# KiCad board kikit_panel.kicad_pcb (continued)
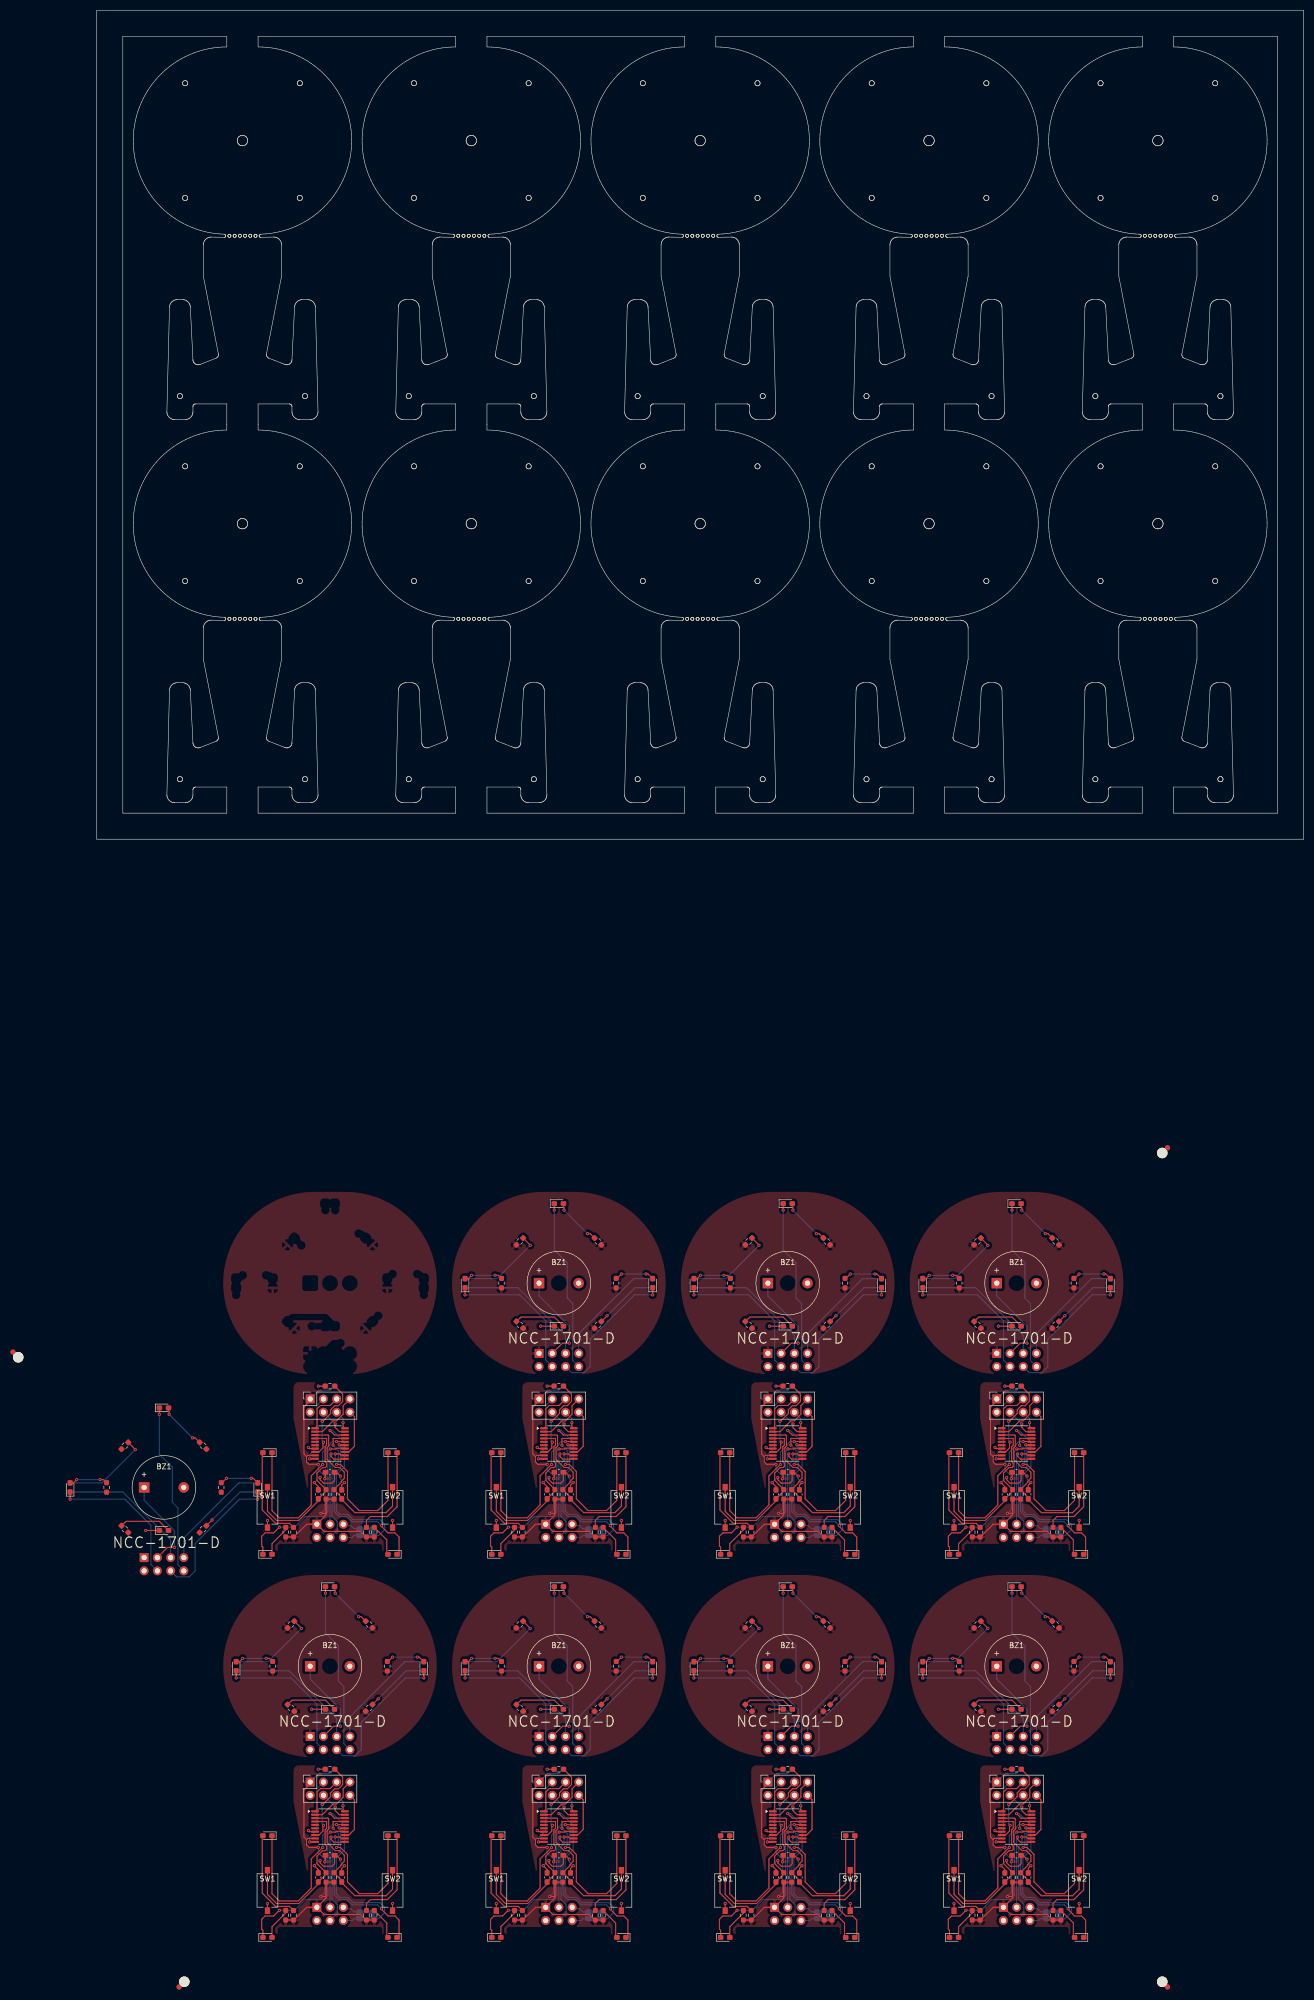
[diagram p0: board, top side]
## Copper pours and planes (outline as drawn; the poured copper is in the pictures) (continued)
Board_5-GND on Bottom: 63.42,-139.09 119.67,-140.09 109.92,-216.34 67.67,-214.09
Board_5-VCC on Top: 66.42,-140.09 110.17,-140.34 109.17,-213.09 66.67,-213.09
Board_6-GND on Bottom: 107.33,-139.09 163.58,-140.09 153.83,-216.34 111.58,-214.09
Board_6-VCC on Top: 110.33,-140.09 154.08,-140.34 153.08,-213.09 110.58,-213.09
Board_7-GND on Bottom: 151.24,-139.09 207.49,-140.09 197.74,-216.34 155.49,-214.09
Board_7-VCC on Top: 154.24,-140.09 197.99,-140.34 196.99,-213.09 154.49,-213.09

## Text on the board
F.Silkscreen: NCC-1701-D
Margin: PREVIEW ONLY. PANEL SAVED IN /home/andreas/Dokumente/Bastelprojekte/ShinyAddOn/pcb/ShinyAddOn_panel/kikit_panel.kicad_pcb
